# Altium PCB RFSoC-AMC.PcbDoc (part 1 of 12) (continued)
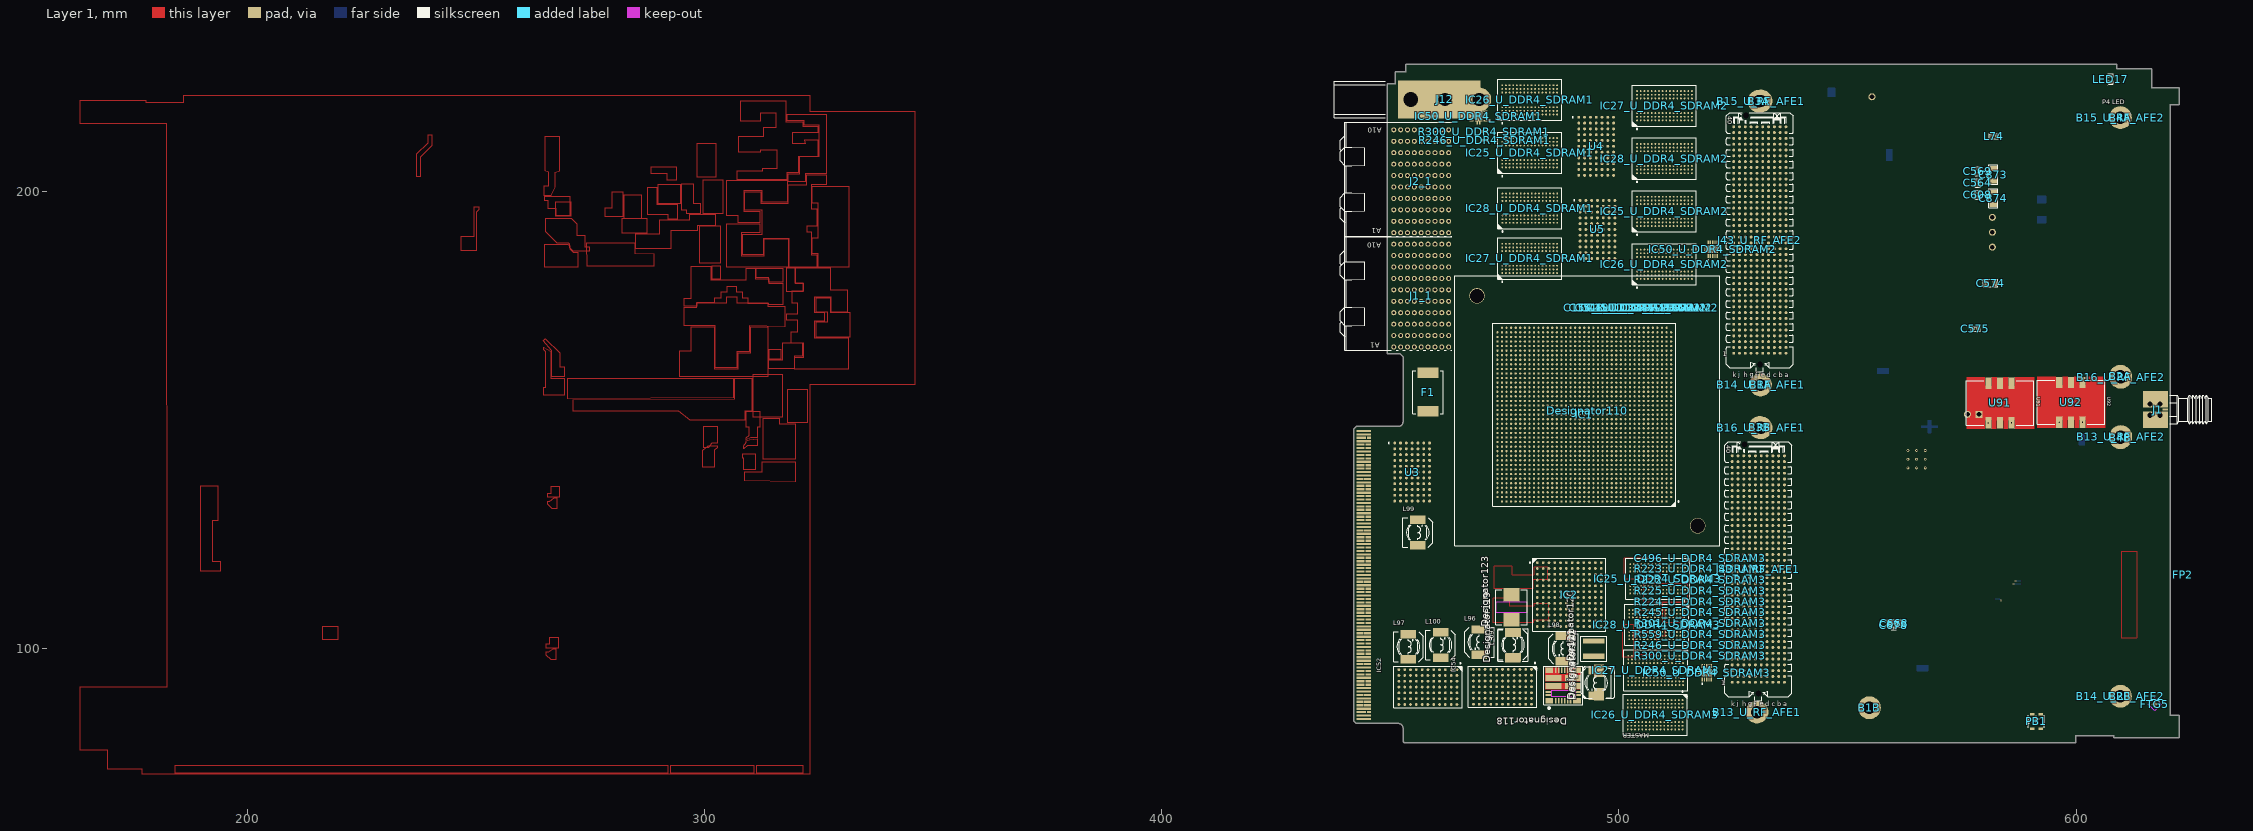
[diagram p0: Layer 1 view]
## Classes and differential pairs (continued)
component class U_DDR4_SDRAM1: C108_U_DDR4_SDRAM1 C109_U_DDR4_SDRAM1 C110_U_DDR4_SDRAM1 C111_U_DDR4_SDRAM1 C112_U_DDR4_SDRAM1 C113_U_DDR4_SDRAM1 C114_U_DDR4_SDRAM1 C115_U_DDR4_SDRAM1 C116_U_DDR4_SDRAM1 C117_U_DDR4_SDRAM1 C118_U_DDR4_SDRAM1 C119_U_DDR4_SDRAM1 C120_U_DDR4_SDRAM1 C121_U_DDR4_SDRAM1 C122_U_DDR4_SDRAM1 C123_U_DDR4_SDRAM1 C124_U_DDR4_SDRAM1 C125_U_DDR4_SDRAM1 C126_U_DDR4_SDRAM1 C127_U_DDR4_SDRAM1 C128_U_DDR4_SDRAM1 C129_U_DDR4_SDRAM1 C130_U_DDR4_SDRAM1 C131_U_DDR4_SDRAM1 C132_U_DDR4_SDRAM1 C133_U_DDR4_SDRAM1 C134_U_DDR4_SDRAM1 C135_U_DDR4_SDRAM1 C136_U_DDR4_SDRAM1 C137_U_DDR4_SDRAM1 C138_U_DDR4_SDRAM1 C139_U_DDR4_SDRAM1 C140_U_DDR4_SDRAM1 C141_U_DDR4_SDRAM1 C142_U_DDR4_SDRAM1 C143_U_DDR4_SDRAM1 C144_U_DDR4_SDRAM1 C145_U_DDR4_SDRAM1 C146_U_DDR4_SDRAM1 C147_U_DDR4_SDRAM1 C148_U_DDR4_SDRAM1 C149_U_DDR4_SDRAM1 C150_U_DDR4_SDRAM1 C151_U_DDR4_SDRAM1 C152_U_DDR4_SDRAM1 C153_U_DDR4_SDRAM1 C154_U_DDR4_SDRAM1 C155_U_DDR4_SDRAM1 C156_U_DDR4_SDRAM1 C157_U_DDR4_SDRAM1 C158_U_DDR4_SDRAM1 C159_U_DDR4_SDRAM1 C160_U_DDR4_SDRAM1 C161_U_DDR4_SDRAM1 C162_U_DDR4_SDRAM1 C163_U_DDR4_SDRAM1 C164_U_DDR4_SDRAM1 C165_U_DDR4_SDRAM1 C166_U_DDR4_SDRAM1 C167_U_DDR4_SDRAM1 C168_U_DDR4_SDRAM1 C173_U_DDR4_SDRAM1 C255_U_DDR4_SDRAM1 C256_U_DDR4_SDRAM1 C257_U_DDR4_SDRAM1 C258_U_DDR4_SDRAM1 C259_U_DDR4_SDRAM1 C260_U_DDR4_SDRAM1 C261_U_DDR4_SDRAM1 C286_U_DDR4_SDRAM1 C494_U_DDR4_SDRAM1 C495_U_DDR4_SDRAM1 C496_U_DDR4_SDRAM1 C497_U_DDR4_SDRAM1 C498_U_DDR4_SDRAM1 C531_U_DDR4_SDRAM1 C532_U_DDR4_SDRAM1 IC25_U_DDR4_SDRAM1 IC26_U_DDR4_SDRAM1 IC27_U_DDR4_SDRAM1 IC28_U_DDR4_SDRAM1 IC50_U_DDR4_SDRAM1 R218_U_DDR4_SDRAM1 R219_U_DDR4_SDRAM1 R220_U_DDR4_SDRAM1 R221_U_DDR4_SDRAM1 R222_U_DDR4_SDRAM1 R223_U_DDR4_SDRAM1 R224_U_DDR4_SDRAM1 R225_U_DDR4_SDRAM1 R226_U_DDR4_SDRAM1 R227_U_DDR4_SDRAM1 R228_U_DDR4_SDRAM1 R229_U_DDR4_SDRAM1 R230_U_DDR4_SDRAM1 R231_U_DDR4_SDRAM1 R232_U_DDR4_SDRAM1 R233_U_DDR4_SDRAM1 R234_U_DDR4_SDRAM1 R235_U_DDR4_SDRAM1 R236_U_DDR4_SDRAM1 R237_U_DDR4_SDRAM1 R238_U_DDR4_SDRAM1 R239_U_DDR4_SDRAM1 R240_U_DDR4_SDRAM1 R241_U_DDR4_SDRAM1 R242_U_DDR4_SDRAM1 R243_U_DDR4_SDRAM1 R244_U_DDR4_SDRAM1 R245_U_DDR4_SDRAM1 R246_U_DDR4_SDRAM1 R247_U_DDR4_SDRAM1 R248_U_DDR4_SDRAM1 R249_U_DDR4_SDRAM1 R250_U_DDR4_SDRAM1 R251_U_DDR4_SDRAM1 R252_U_DDR4_SDRAM1 R253_U_DDR4_SDRAM1 R254_U_DDR4_SDRAM1 R255_U_DDR4_SDRAM1 R256_U_DDR4_SDRAM1 R257_U_DDR4_SDRAM1 R258_U_DDR4_SDRAM1 R259_U_DDR4_SDRAM1 R300_U_DDR4_SDRAM1 R301_U_DDR4_SDRAM1 R302_U_DDR4_SDRAM1 R559_U_DDR4_SDRAM1
differential pair SYNCOUT21: +SYNCOUT21_P -SYNCOUT21_N
differential pair SYNCOUT20: +SYNCOUT20_P -SYNCOUT20_N
differential pair SYNCOUT11: +SYNCOUT11_P -SYNCOUT11_N
differential pair SYNCOUT10: +SYNCOUT10_P -SYNCOUT10_N
differential pair ADC2_SYNC: +ADC2_SYNC_P -ADC2_SYNC_N
differential pair ADC1_SYNC: +ADC1_SYNC_P -ADC1_SYNC_N

## Components (designator, comment, footprint, x,y, rotation, side; value= is the part's Value field where it differs from the comment)
B1A "Plated Hole" MTG270_500#1 530.687,157.683 r180 top (schematic designator B1)
B1B "Plated Hole" MTG270_500#1 554.493,87.094 r180 top (schematic designator B1)
B2A "Plated Hole" MTG270_500#1 609.393,159.594 r180 top (schematic designator B2)
B2B "Plated Hole" MTG270_500#1 609.393,89.594 r180 top (schematic designator B2)
B3A "Plated Hole" MTG270_500#1 530.331,219.735 r180 top (schematic designator B3)
B3B "Plated Hole" MTG270_500#1 530.509,148.387 r180 top (schematic designator B3)
B4A "Plated Hole" MTG270_500#1 609.393,216.144 r180 top (schematic designator B4)
B4B "Plated Hole" MTG270_500#1 609.393,146.144 r180 top (schematic designator B4)
B13_U_RF_AFE1 "Plated Hole" MTG270_500#2 530.2,86.131 r270 top (schematic designator B13)
B13_U_RF_AFE2 "Plated Hole" MTG270_500#2 609.778,146.38 r180 top (schematic designator B13)
B14_U_RF_AFE1 "Plated Hole" MTG270_500#2 530.987,157.683 r270 top (schematic designator B14)
B14_U_RF_AFE2 "Plated Hole" MTG270_500#2 609.693,89.594 r180 top (schematic designator B14)
B15_U_RF_AFE1 "Plated Hole" MTG270_500#2 531.089,219.786 r270 top (schematic designator B15)
B15_U_RF_AFE2 "Plated Hole" MTG270_500#2 609.693,216.144 r180 top (schematic designator B15)
B16_U_RF_AFE1 "Plated Hole" MTG270_500#2 531.089,148.311 r270 top (schematic designator B16)
B16_U_RF_AFE2 "Plated Hole" MTG270_500#2 609.778,159.36 r180 top (schematic designator B16)
C108_U_DDR4_SDRAM1 "100nF" CAPC0603X33N 478.235,214.65 r90 bottom (schematic designator C108)
C108_U_DDR4_SDRAM2 "100nF" CAPC0603X33N 505.128,201.015 r180 bottom (schematic designator C108)
C108_U_DDR4_SDRAM3 "100nF" CAPC0603X33N 505.518,108.53 r90 bottom (schematic designator C108)
C109_U_DDR4_SDRAM1 "100nF" CAPC0603X33N 478.235,216.708 r90 bottom (schematic designator C109)
C109_U_DDR4_SDRAM2 "100nF" CAPC0603X33N 505.128,199.757 r180 bottom (schematic designator C109)
C109_U_DDR4_SDRAM3 "100nF" CAPC0603X33N 505.518,110.588 r90 bottom (schematic designator C109)
C110_U_DDR4_SDRAM1 "100nF" CAPC0603X33N 476.977,192.012 r90 bottom (schematic designator C110)
C110_U_DDR4_SDRAM2 "100nF" CAPC0603X33N 505.128,198.499 r180 bottom (schematic designator C110)
C110_U_DDR4_SDRAM3 "100nF" CAPC0603X33N 505.518,112.646 r90 bottom (schematic designator C110)
C111_U_DDR4_SDRAM1 "100nF" CAPC0603X33N 478.235,212.592 r90 bottom (schematic designator C111)
C111_U_DDR4_SDRAM2 "100nF" CAPC0603X33N 505.128,202.273 r180 bottom (schematic designator C111)
C111_U_DDR4_SDRAM3 "100nF" CAPC0603X33N 505.518,106.472 r90 bottom (schematic designator C111)
C112_U_DDR4_SDRAM1 "100nF" CAPC0603X33N 478.235,206.418 r90 bottom (schematic designator C112)
C112_U_DDR4_SDRAM2 "100nF" CAPC0603X33N 505.128,206.047 r180 bottom (schematic designator C112)
C112_U_DDR4_SDRAM3 "100nF" CAPC0603X33N 505.518,100.298 r90 bottom (schematic designator C112)
C113_U_DDR4_SDRAM1 "100nF" CAPC0603X33N 478.235,208.476 r90 bottom (schematic designator C113)
C113_U_DDR4_SDRAM2 "100nF" CAPC0603X33N 505.128,204.789 r180 bottom (schematic designator C113)
C113_U_DDR4_SDRAM3 "100nF" CAPC0603X33N 505.518,102.356 r90 bottom (schematic designator C113)
C114_U_DDR4_SDRAM1 "100nF" CAPC0603X33N 478.235,210.534 r90 bottom (schematic designator C114)
C114_U_DDR4_SDRAM2 "100nF" CAPC0603X33N 505.128,203.531 r180 bottom (schematic designator C114)
C114_U_DDR4_SDRAM3 "100nF" CAPC0603X33N 505.518,104.414 r90 bottom (schematic designator C114)
C115_U_DDR4_SDRAM1 "100nF" CAPC0603X33N 476.977,194.07 r90 bottom (schematic designator C115)
C115_U_DDR4_SDRAM2 "100nF" CAPC0603X33N 505.128,197.241 r180 bottom (schematic designator C115)
C115_U_DDR4_SDRAM3 "100nF" CAPC0603X33N 505.518,114.704 r90 bottom (schematic designator C115)
C116_U_DDR4_SDRAM1 "100nF" CAPC0603X33N 476.977,204.36 r90 bottom (schematic designator C116)
C116_U_DDR4_SDRAM2 "100nF" CAPC0603X33N 505.128,190.951 r180 bottom (schematic designator C116)
C116_U_DDR4_SDRAM3 "100nF" CAPC0603X33N 504.26,83.834 r90 bottom (schematic designator C116)
C117_U_DDR4_SDRAM1 "100nF" CAPC0603X33N 476.977,206.418 r90 bottom (schematic designator C117)
C117_U_DDR4_SDRAM2 "100nF" CAPC0603X33N 505.128,189.693 r180 bottom (schematic designator C117)
C117_U_DDR4_SDRAM3 "100nF" CAPC0603X33N 504.26,85.892 r90 bottom (schematic designator C117)
C118_U_DDR4_SDRAM1 "100nF" CAPC0603X33N 476.977,208.476 r90 bottom (schematic designator C118)
C118_U_DDR4_SDRAM2 "100nF" CAPC0603X33N 505.128,188.435 r180 bottom (schematic designator C118)
C118_U_DDR4_SDRAM3 "100nF" CAPC0603X33N 504.26,87.95 r90 bottom (schematic designator C118)
C119_U_DDR4_SDRAM1 "100nF" CAPC0603X33N 476.977,202.302 r90 bottom (schematic designator C119)
C119_U_DDR4_SDRAM2 "100nF" CAPC0603X33N 505.128,192.209 r180 bottom (schematic designator C119)
C119_U_DDR4_SDRAM3 "100nF" CAPC0603X33N 504.26,81.776 r90 bottom (schematic designator C119)
C120_U_DDR4_SDRAM1 "100nF" CAPC0603X33N 476.977,196.128 r90 bottom (schematic designator C120)
C120_U_DDR4_SDRAM2 "100nF" CAPC0603X33N 505.128,195.983 r180 bottom (schematic designator C120)
C120_U_DDR4_SDRAM3 "100nF" CAPC0603X33N 505.518,116.762 r90 bottom (schematic designator C120)
C121_U_DDR4_SDRAM1 "100nF" CAPC0603X33N 476.977,198.186 r90 bottom (schematic designator C121)
C121_U_DDR4_SDRAM2 "100nF" CAPC0603X33N 505.128,194.725 r180 bottom (schematic designator C121)
C121_U_DDR4_SDRAM3 "100nF" CAPC0603X33N 505.518,118.82 r90 bottom (schematic designator C121)
C122_U_DDR4_SDRAM1 "100nF" CAPC0603X33N 476.977,200.244 r90 bottom (schematic designator C122)
C122_U_DDR4_SDRAM2 "100nF" CAPC0603X33N 505.128,193.467 r180 bottom (schematic designator C122)
C122_U_DDR4_SDRAM3 "100nF" CAPC0603X33N 505.518,120.878 r90 bottom (schematic designator C122)
C123_U_DDR4_SDRAM1 "100nF" CAPC0603X33N 478.235,204.36 r90 bottom (schematic designator C123)
C123_U_DDR4_SDRAM2 "100nF" CAPC0603X33N 505.128,207.305 r180 bottom (schematic designator C123)
C123_U_DDR4_SDRAM3 "100nF" CAPC0603X33N 505.518,98.24 r90 bottom (schematic designator C123)
C124_U_DDR4_SDRAM1 "100nF" CAPC0603X33N 479.793,207.378 r90 bottom (schematic designator C124)
C124_U_DDR4_SDRAM2 "100nF" CAPC0603X33N 513.127,190.061 r180 bottom (schematic designator C124)
C124_U_DDR4_SDRAM3 "100nF" CAPC0603X33N 507.076,116.166 r90 bottom (schematic designator C124)
C125_U_DDR4_SDRAM1 "100nF" CAPC0603X33N 479.793,209.436 r90 bottom (schematic designator C125)
C125_U_DDR4_SDRAM2 "100nF" CAPC0603X33N 513.127,188.803 r180 bottom (schematic designator C125)
C125_U_DDR4_SDRAM3 "100nF" CAPC0603X33N 507.076,118.224 r90 bottom (schematic designator C125)
C126_U_DDR4_SDRAM1 "100nF" CAPC0603X33N 479.793,211.494 r90 bottom (schematic designator C126)
C126_U_DDR4_SDRAM2 "100nF" CAPC0603X33N 513.127,187.545 r180 bottom (schematic designator C126)
C126_U_DDR4_SDRAM3 "100nF" CAPC0603X33N 507.076,120.282 r90 bottom (schematic designator C126)
C127_U_DDR4_SDRAM1 "100nF" CAPC0603X33N 479.793,205.32 r90 bottom (schematic designator C127)
C127_U_DDR4_SDRAM2 "100nF" CAPC0603X33N 513.127,191.319 r180 bottom (schematic designator C127)
C127_U_DDR4_SDRAM3 "100nF" CAPC0603X33N 507.076,114.108 r90 bottom (schematic designator C127)
C128_U_DDR4_SDRAM1 "100nF" CAPC0603X33N 479.793,199.146 r90 bottom (schematic designator C128)
C128_U_DDR4_SDRAM2 "100nF" CAPC0603X33N 513.127,195.093 r180 bottom (schematic designator C128)
C128_U_DDR4_SDRAM3 "100nF" CAPC0603X33N 507.076,107.934 r90 bottom (schematic designator C128)
C129_U_DDR4_SDRAM1 "100nF" CAPC0603X33N 479.793,201.204 r90 bottom (schematic designator C129)
C129_U_DDR4_SDRAM2 "100nF" CAPC0603X33N 513.127,193.835 r180 bottom (schematic designator C129)
C129_U_DDR4_SDRAM3 "100nF" CAPC0603X33N 507.076,109.992 r90 bottom (schematic designator C129)
C130_U_DDR4_SDRAM1 "100nF" CAPC0603X33N 479.793,203.262 r90 bottom (schematic designator C130)
C130_U_DDR4_SDRAM2 "100nF" CAPC0603X33N 513.127,192.577 r180 bottom (schematic designator C130)
C130_U_DDR4_SDRAM3 "100nF" CAPC0603X33N 507.076,112.05 r90 bottom (schematic designator C130)
C131_U_DDR4_SDRAM1 "100nF" CAPC0603X33N 479.793,213.552 r90 bottom (schematic designator C131)
C131_U_DDR4_SDRAM2 "100nF" CAPC0603X33N 513.127,186.287 r180 bottom (schematic designator C131)
C131_U_DDR4_SDRAM3 "100nF" CAPC0603X33N 505.518,81.776 r90 bottom (schematic designator C131)
C132_U_DDR4_SDRAM1 "100nF" CAPC0603X33N 478.235,198.186 r90 bottom (schematic designator C132)
C132_U_DDR4_SDRAM2 "100nF" CAPC0603X33N 505.128,211.079 r180 bottom (schematic designator C132)
C132_U_DDR4_SDRAM3 "100nF" CAPC0603X33N 505.518,92.066 r90 bottom (schematic designator C132)
C133_U_DDR4_SDRAM1 "100nF" CAPC0603X33N 478.235,200.244 r90 bottom (schematic designator C133)
C133_U_DDR4_SDRAM2 "100nF" CAPC0603X33N 505.128,209.821 r180 bottom (schematic designator C133)
C133_U_DDR4_SDRAM3 "100nF" CAPC0603X33N 505.518,94.124 r90 bottom (schematic designator C133)
C134_U_DDR4_SDRAM1 "100nF" CAPC0603X33N 478.235,202.302 r90 bottom (schematic designator C134)
C134_U_DDR4_SDRAM2 "100nF" CAPC0603X33N 505.128,208.563 r180 bottom (schematic designator C134)
C134_U_DDR4_SDRAM3 "100nF" CAPC0603X33N 505.518,96.182 r90 bottom (schematic designator C134)
C135_U_DDR4_SDRAM1 "100nF" CAPC0603X33N 478.235,196.128 r90 bottom (schematic designator C135)
C135_U_DDR4_SDRAM2 "100nF" CAPC0603X33N 505.128,212.337 r180 bottom (schematic designator C135)
C135_U_DDR4_SDRAM3 "100nF" CAPC0603X33N 505.518,90.008 r90 bottom (schematic designator C135)
C136_U_DDR4_SDRAM1 "100nF" CAPC0603X33N 479.793,215.61 r90 bottom (schematic designator C136)
C136_U_DDR4_SDRAM2 "100nF" CAPC0603X33N 513.127,185.029 r180 bottom (schematic designator C136)
C136_U_DDR4_SDRAM3 "100nF" CAPC0603X33N 505.518,83.834 r90 bottom (schematic designator C136)
C137_U_DDR4_SDRAM1 "100nF" CAPC0603X33N 478.235,192.012 r90 bottom (schematic designator C137)
C137_U_DDR4_SDRAM2 "100nF" CAPC0603X33N 513.127,183.771 r180 bottom (schematic designator C137)
C137_U_DDR4_SDRAM3 "100nF" CAPC0603X33N 505.518,85.892 r90 bottom (schematic designator C137)
C138_U_DDR4_SDRAM1 "100nF" CAPC0603X33N 478.235,194.07 r90 bottom (schematic designator C138)
C138_U_DDR4_SDRAM2 "100nF" CAPC0603X33N 505.128,213.595 r180 bottom (schematic designator C138)
C138_U_DDR4_SDRAM3 "100nF" CAPC0603X33N 505.518,87.95 r90 bottom (schematic designator C138)
C139_U_DDR4_SDRAM1 "100nF" CAPC0603X33N 476.977,210.534 r90 bottom (schematic designator C139)
C139_U_DDR4_SDRAM2 "100nF" CAPC0603X33N 505.128,187.177 r180 bottom (schematic designator C139)
C139_U_DDR4_SDRAM3 "100nF" CAPC0603X33N 504.26,90.008 r90 bottom (schematic designator C139)
C140_U_DDR4_SDRAM1 "100nF" CAPC0603X33N 484.694,210.373 r270 bottom (schematic designator C140)
C140_U_DDR4_SDRAM2 "100nF" CAPC0603X33N 507.186,190.951 r180 bottom (schematic designator C140)
C140_U_DDR4_SDRAM3 "100nF" CAPC0603X33N 503.002,92.066 r90 bottom (schematic designator C140)
C141_U_DDR4_SDRAM1 "100nF" CAPC0603X33N 484.694,208.315 r270 bottom (schematic designator C141)
C141_U_DDR4_SDRAM2 "100nF" CAPC0603X33N 507.186,189.693 r180 bottom (schematic designator C141)
C141_U_DDR4_SDRAM3 "100nF" CAPC0603X33N 503.002,94.124 r90 bottom (schematic designator C141)
C142_U_DDR4_SDRAM1 "100nF" CAPC0603X33N 484.694,206.257 r270 bottom (schematic designator C142)
C142_U_DDR4_SDRAM2 "100nF" CAPC0603X33N 507.186,188.435 r180 bottom (schematic designator C142)
C142_U_DDR4_SDRAM3 "100nF" CAPC0603X33N 503.002,96.182 r90 bottom (schematic designator C142)
C143_U_DDR4_SDRAM1 "100nF" CAPC0603X33N 484.694,212.431 r270 bottom (schematic designator C143)
C143_U_DDR4_SDRAM2 "100nF" CAPC0603X33N 507.186,192.209 r180 bottom (schematic designator C143)
C143_U_DDR4_SDRAM3 "100nF" CAPC0603X33N 503.002,90.008 r90 bottom (schematic designator C143)
C144_U_DDR4_SDRAM1 "100nF" CAPC0603X33N 484.694,218.605 r270 bottom (schematic designator C144)
C144_U_DDR4_SDRAM2 "100nF" CAPC0603X33N 507.186,195.983 r180 bottom (schematic designator C144)
C144_U_DDR4_SDRAM3 "100nF" CAPC0603X33N 503.002,83.834 r90 bottom (schematic designator C144)
C145_U_DDR4_SDRAM1 "100nF" CAPC0603X33N 484.694,216.547 r270 bottom (schematic designator C145)
C145_U_DDR4_SDRAM2 "100nF" CAPC0603X33N 507.186,194.725 r180 bottom (schematic designator C145)
C145_U_DDR4_SDRAM3 "100nF" CAPC0603X33N 503.002,85.892 r90 bottom (schematic designator C145)
C146_U_DDR4_SDRAM1 "100nF" CAPC0603X33N 484.694,214.489 r270 bottom (schematic designator C146)
C146_U_DDR4_SDRAM2 "100nF" CAPC0603X33N 507.186,193.467 r180 bottom (schematic designator C146)
C146_U_DDR4_SDRAM3 "100nF" CAPC0603X33N 503.002,87.95 r90 bottom (schematic designator C146)
C147_U_DDR4_SDRAM1 "100nF" CAPC0603X33N 484.694,204.199 r270 bottom (schematic designator C147)
C147_U_DDR4_SDRAM2 "100nF" CAPC0603X33N 507.186,187.177 r180 bottom (schematic designator C147)
C147_U_DDR4_SDRAM3 "100nF" CAPC0603X33N 503.002,98.24 r90 bottom (schematic designator C147)
C148_U_DDR4_SDRAM1 "100nF" CAPC0603X33N 484.694,193.909 r270 bottom (schematic designator C148)
C148_U_DDR4_SDRAM2 "100nF" CAPC0603X33N 504.846,174.578 r90 top (schematic designator C148)
C148_U_DDR4_SDRAM3 "100nF" CAPC0603X33N 503.002,108.53 r90 bottom (schematic designator C148)
C149_U_DDR4_SDRAM1 "100nF" CAPC0603X33N 475.489,199.403 r90 bottom (schematic designator C149)
C149_U_DDR4_SDRAM2 "100nF" CAPC0603X33N 506.104,174.578 r90 top (schematic designator C149)
C149_U_DDR4_SDRAM3 "100nF" CAPC0603X33N 503.002,110.588 r90 bottom (schematic designator C149)
C150_U_DDR4_SDRAM1 "100nF" CAPC0603X33N 475.489,201.461 r90 bottom (schematic designator C150)
C150_U_DDR4_SDRAM2 "100nF" CAPC0603X33N 507.362,174.578 r90 top (schematic designator C150)
C150_U_DDR4_SDRAM3 "100nF" CAPC0603X33N 503.002,112.646 r90 bottom (schematic designator C150)
C151_U_DDR4_SDRAM1 "100nF" CAPC0603X33N 484.694,195.967 r270 bottom (schematic designator C151)
C151_U_DDR4_SDRAM2 "100nF" CAPC0603X33N 503.588,174.578 r90 top (schematic designator C151)
C151_U_DDR4_SDRAM3 "100nF" CAPC0603X33N 503.002,106.472 r90 bottom (schematic designator C151)
C152_U_DDR4_SDRAM1 "100nF" CAPC0603X33N 484.694,202.141 r270 bottom (schematic designator C152)
C152_U_DDR4_SDRAM2 "100nF" CAPC0603X33N 507.186,185.919 r180 bottom (schematic designator C152)
C152_U_DDR4_SDRAM3 "100nF" CAPC0603X33N 503.002,100.298 r90 bottom (schematic designator C152)
C153_U_DDR4_SDRAM1 "100nF" CAPC0603X33N 484.694,200.083 r270 bottom (schematic designator C153)
C153_U_DDR4_SDRAM2 "100nF" CAPC0603X33N 507.186,184.661 r180 bottom (schematic designator C153)
C153_U_DDR4_SDRAM3 "100nF" CAPC0603X33N 503.002,102.356 r90 bottom (schematic designator C153)
C154_U_DDR4_SDRAM1 "100nF" CAPC0603X33N 484.694,198.025 r270 bottom (schematic designator C154)
C154_U_DDR4_SDRAM2 "100nF" CAPC0603X33N 502.33,174.578 r90 top (schematic designator C154)
C154_U_DDR4_SDRAM3 "100nF" CAPC0603X33N 503.002,104.414 r90 bottom (schematic designator C154)
C155_U_DDR4_SDRAM1 "100nF" CAPC0603X33N 483.436,193.909 r270 bottom (schematic designator C155)
C155_U_DDR4_SDRAM2 "100nF" CAPC0603X33N 507.186,197.241 r180 bottom (schematic designator C155)
C155_U_DDR4_SDRAM3 "100nF" CAPC0603X33N 503.002,81.776 r90 bottom (schematic designator C155)
C156_U_DDR4_SDRAM1 "100nF" CAPC0603X33N 483.436,216.547 r270 bottom (schematic designator C156)
C156_U_DDR4_SDRAM2 "100nF" CAPC0603X33N 507.186,211.079 r180 bottom (schematic designator C156)
C156_U_DDR4_SDRAM3 "100nF" CAPC0603X33N 504.26,100.298 r90 bottom (schematic designator C156)
C157_U_DDR4_SDRAM1 "100nF" CAPC0603X33N 483.436,214.489 r270 bottom (schematic designator C157)
C157_U_DDR4_SDRAM2 "100nF" CAPC0603X33N 507.186,209.821 r180 bottom (schematic designator C157)
C157_U_DDR4_SDRAM3 "100nF" CAPC0603X33N 504.26,102.356 r90 bottom (schematic designator C157)
C158_U_DDR4_SDRAM1 "100nF" CAPC0603X33N 483.436,212.431 r270 bottom (schematic designator C158)
C158_U_DDR4_SDRAM2 "100nF" CAPC0603X33N 507.186,208.563 r180 bottom (schematic designator C158)
C158_U_DDR4_SDRAM3 "100nF" CAPC0603X33N 504.26,104.414 r90 bottom (schematic designator C158)
C159_U_DDR4_SDRAM1 "100nF" CAPC0603X33N 483.436,218.605 r270 bottom (schematic designator C159)
C159_U_DDR4_SDRAM2 "100nF" CAPC0603X33N 507.186,212.337 r180 bottom (schematic designator C159)
C159_U_DDR4_SDRAM3 "100nF" CAPC0603X33N 504.26,98.24 r90 bottom (schematic designator C159)
C160_U_DDR4_SDRAM1 "100nF" CAPC0603X33N 476.977,212.592 r90 bottom (schematic designator C160)
C160_U_DDR4_SDRAM2 "100nF" CAPC0603X33N 505.128,185.919 r180 bottom (schematic designator C160)
C160_U_DDR4_SDRAM3 "100nF" CAPC0603X33N 504.26,92.066 r90 bottom (schematic designator C160)
C161_U_DDR4_SDRAM1 "100nF" CAPC0603X33N 476.977,214.65 r90 bottom (schematic designator C161)
C161_U_DDR4_SDRAM2 "100nF" CAPC0603X33N 505.128,184.661 r180 bottom (schematic designator C161)
C161_U_DDR4_SDRAM3 "100nF" CAPC0603X33N 504.26,94.124 r90 bottom (schematic designator C161)
C162_U_DDR4_SDRAM1 "100nF" CAPC0603X33N 476.977,216.708 r90 bottom (schematic designator C162)
C162_U_DDR4_SDRAM2 "100nF" CAPC0603X33N 507.186,213.595 r180 bottom (schematic designator C162)
C162_U_DDR4_SDRAM3 "100nF" CAPC0603X33N 504.26,96.182 r90 bottom (schematic designator C162)
C163_U_DDR4_SDRAM1 "100nF" CAPC0603X33N 483.436,210.373 r270 bottom (schematic designator C163)
C163_U_DDR4_SDRAM2 "100nF" CAPC0603X33N 507.186,207.305 r180 bottom (schematic designator C163)
C163_U_DDR4_SDRAM3 "100nF" CAPC0603X33N 504.26,106.472 r90 bottom (schematic designator C163)
C164_U_DDR4_SDRAM1 "100nF" CAPC0603X33N 483.436,200.083 r270 bottom (schematic designator C164)
C164_U_DDR4_SDRAM2 "100nF" CAPC0603X33N 507.186,201.015 r180 bottom (schematic designator C164)
C164_U_DDR4_SDRAM3 "100nF" CAPC0603X33N 504.26,116.762 r90 bottom (schematic designator C164)
C165_U_DDR4_SDRAM1 "100nF" CAPC0603X33N 483.436,198.025 r270 bottom (schematic designator C165)
C165_U_DDR4_SDRAM2 "100nF" CAPC0603X33N 507.186,199.757 r180 bottom (schematic designator C165)
C165_U_DDR4_SDRAM3 "100nF" CAPC0603X33N 504.26,118.82 r90 bottom (schematic designator C165)
C166_U_DDR4_SDRAM1 "100nF" CAPC0603X33N 483.436,195.967 r270 bottom (schematic designator C166)
C166_U_DDR4_SDRAM2 "100nF" CAPC0603X33N 507.186,198.499 r180 bottom (schematic designator C166)
C166_U_DDR4_SDRAM3 "100nF" CAPC0603X33N 504.26,120.878 r90 bottom (schematic designator C166)
C167_U_DDR4_SDRAM1 "100nF" CAPC0603X33N 483.436,202.141 r270 bottom (schematic designator C167)
C167_U_DDR4_SDRAM2 "100nF" CAPC0603X33N 507.186,202.273 r180 bottom (schematic designator C167)
C167_U_DDR4_SDRAM3 "100nF" CAPC0603X33N 504.26,114.704 r90 bottom (schematic designator C167)
C168_U_DDR4_SDRAM1 "100nF" CAPC0603X33N 483.436,208.315 r270 bottom (schematic designator C168)
C168_U_DDR4_SDRAM2 "100nF" CAPC0603X33N 507.186,206.047 r180 bottom (schematic designator C168)
C168_U_DDR4_SDRAM3 "100nF" CAPC0603X33N 504.26,108.53 r90 bottom (schematic designator C168)
C173_U_DDR4_SDRAM1 "100nF" CAPC0603X33N 483.436,206.257 r270 bottom (schematic designator C173)
C173_U_DDR4_SDRAM2 "100nF" CAPC0603X33N 507.186,204.789 r180 bottom (schematic designator C173)
C173_U_DDR4_SDRAM3 "100nF" CAPC0603X33N 504.26,110.588 r90 bottom (schematic designator C173)
C255_U_DDR4_SDRAM1 "1uF" CAPC1005X55N 473.7,216.485 r90 bottom (schematic designator C255)
C255_U_DDR4_SDRAM2 "1uF" CAPC1005X55N 510.909,204.291 r180 bottom (schematic designator C255)
C255_U_DDR4_SDRAM3 "1uF" CAPC1005X55N 508.484,86.692 r90 bottom (schematic designator C255)
C256_U_DDR4_SDRAM1 "1uF" CAPC1005X55N 472.142,192.705 r90 bottom (schematic designator C256)
C256_U_DDR4_SDRAM2 "1uF" CAPC1005X55N 510.909,202.733 r180 bottom (schematic designator C256)
C256_U_DDR4_SDRAM3 "1uF" CAPC1005X55N 508.484,89.07 r90 bottom (schematic designator C256)
C257_U_DDR4_SDRAM1 "1uF" CAPC1005X55N 473.7,211.729 r90 bottom (schematic designator C257)
C257_U_DDR4_SDRAM2 "1uF" CAPC1005X55N 510.909,207.407 r180 bottom (schematic designator C257)
C257_U_DDR4_SDRAM3 "1uF" CAPC1005X55N 508.484,81.936 r90 bottom (schematic designator C257)
C258_U_DDR4_SDRAM1 "1uF" CAPC1005X55N 473.7,214.107 r90 bottom (schematic designator C258)
C258_U_DDR4_SDRAM2 "1uF" CAPC1005X55N 510.909,205.849 r180 bottom (schematic designator C258)
C258_U_DDR4_SDRAM3 "1uF" CAPC1005X55N 508.484,84.314 r90 bottom (schematic designator C258)
C259_U_DDR4_SDRAM1 "1uF" CAPC1005X55N 472.142,195.083 r90 bottom (schematic designator C259)
C259_U_DDR4_SDRAM2 "1uF" CAPC1005X55N 510.909,201.175 r180 bottom (schematic designator C259)
C259_U_DDR4_SDRAM3 "1uF" CAPC1005X55N 508.484,91.448 r90 bottom (schematic designator C259)
C260_U_DDR4_SDRAM1 "1uF" CAPC1005X55N 472.142,202.217 r90 bottom (schematic designator C260)
C260_U_DDR4_SDRAM2 "1uF" CAPC1005X55N 510.909,196.501 r180 bottom (schematic designator C260)
C260_U_DDR4_SDRAM3 "1uF" CAPC1005X55N 508.484,98.582 r90 bottom (schematic designator C260)
C261_U_DDR4_SDRAM1 "1uF" CAPC1005X55N 472.142,204.595 r90 bottom (schematic designator C261)
C261_U_DDR4_SDRAM2 "1uF" CAPC1005X55N 510.909,194.943 r180 bottom (schematic designator C261)
C261_U_DDR4_SDRAM3 "1uF" CAPC1005X55N 508.484,100.96 r90 bottom (schematic designator C261)
C286_U_DDR4_SDRAM1 "100nF" CAPC0603X33N 483.436,204.199 r270 bottom (schematic designator C286)
C286_U_DDR4_SDRAM2 "100nF" CAPC0603X33N 507.186,203.531 r180 bottom (schematic designator C286)
C286_U_DDR4_SDRAM3 "100nF" CAPC0603X33N 504.26,112.646 r90 bottom (schematic designator C286)
C344 "0.01UF" 0201 556.136,103.582 r90 bottom
C345 "0.01UF" 0201 566.195,103.582 r90 bottom
C361 "0.1UF" 0402 563.375,134.551 r90 bottom
C362 "1UF" 0402 561.717,134.551 r90 bottom
C363 "0.1UF" 0402 566.691,134.551 r90 bottom
C364 "1UF" 0402 565.033,134.551 r90 bottom
C456 "0.01UF" 0402 582.034,215.395 r0 bottom
C457 "10UF" 0805 581.324,177.428 r0 bottom
C485 "10UF" 0805 552.48,221.087 r270 bottom
C494_U_DDR4_SDRAM1 "1uF" CAPC1005X55N 472.142,197.461 r90 bottom (schematic designator C494)
C494_U_DDR4_SDRAM2 "1uF" CAPC1005X55N 510.909,199.617 r180 bottom (schematic designator C494)
C494_U_DDR4_SDRAM3 "1uF" CAPC1005X55N 508.484,93.826 r90 bottom (schematic designator C494)
C495_U_DDR4_SDRAM1 "1uF" CAPC1005X55N 472.142,199.839 r90 bottom (schematic designator C495)
C495_U_DDR4_SDRAM2 "1uF" CAPC1005X55N 510.909,198.059 r180 bottom (schematic designator C495)
C495_U_DDR4_SDRAM3 "1uF" CAPC1005X55N 508.484,96.204 r90 bottom (schematic designator C495)
C496_U_DDR4_SDRAM1 "1uF" CAPC1005X55N 473.7,209.351 r90 bottom (schematic designator C496)
C496_U_DDR4_SDRAM2 "1uF" CAPC1005X55N 510.909,208.965 r180 bottom (schematic designator C496)
C496_U_DDR4_SDRAM3 "1uF" CAPC1005X55N 517.748,119.822 r90 top (schematic designator C496)
C564 "1UF" 0402 578.491,201.868 r90 top
C567 "10UF" 0805 581.324,174.92 r0 bottom
C569 "1UF" 0402 578.491,204.456 r270 top
C570 "10UF" 0805 581.324,172.412 r0 bottom
C572 "0.01UF" 0402 578.026,168.305 r0 bottom
C573 "10UF" 0805 581.324,182.444 r0 bottom
C574 "10UF" 0805 581.324,179.936 r0 top
C575 "0.01UF" 0402 578,169.963 r180 top
C577 "0.1UF" 0402 582.034,207.105 r0 bottom
C578 "0.1UF" 0402 582.034,208.763 r0 bottom
C606 "0.1UF" 0402 578,166.647 r180 bottom
C607 "0.1UF" 0402 578.026,164.989 r0 bottom
C608 "0.1UF" 0402 578.491,199.254 r90 top
C609 "0.1UF" 0402 582.034,213.737 r0 bottom
C632_U_ADC_PLL1 "100PF" 0402 550.827,168.384 r90 bottom (schematic designator C632)
C632_U_ADC_PLL2 "100PF" 0402 559.757,198.296 r180 bottom (schematic designator C632)
C633_U_ADC_PLL1 "DNP" 0402 549.169,168.384 r90 bottom (schematic designator C633)
C633_U_ADC_PLL2 "DNP" 0402 557.143,198.296 r180 bottom (schematic designator C633)
C634_U_ADC_PLL1 "10UF" 0805 557.8,171.682 r90 bottom (schematic designator C634)
C634_U_ADC_PLL2 "10UF" 0805 566.914,204.564 r180 bottom (schematic designator C634)
C635_U_ADC_PLL1 "10UF" 0805 560.308,171.682 r90 bottom (schematic designator C635)
C635_U_ADC_PLL2 "10UF" 0805 562.906,204.564 r180 bottom (schematic designator C635)
C636_U_ADC_PLL1 "0.1UF" 0402 547.511,168.384 r90 bottom (schematic designator C636)
C636_U_ADC_PLL2 "0.1UF" 0402 562.371,198.296 r180 bottom (schematic designator C636)
C637_U_ADC_PLL1 "10UF" 0805 562.816,171.682 r90 bottom (schematic designator C637)
C637_U_ADC_PLL2 "10UF" 0805 556.039,208.475 r180 bottom (schematic designator C637)
C638_U_ADC_PLL1 "0.1UF" 0402 555.801,168.384 r90 bottom (schematic designator C638)
C638_U_ADC_PLL2 "0.1UF" 0402 567.598,198.296 r180 bottom (schematic designator C638)
C639_U_ADC_PLL1 "0.1UF" 0402 554.143,168.384 r90 bottom (schematic designator C639)
C639_U_ADC_PLL2 "0.1UF" 0402 564.985,198.296 r180 bottom (schematic designator C639)
C640_U_ADC_PLL1 "100PF" 0402 552.485,168.384 r90 bottom (schematic designator C640)
C640_U_ADC_PLL2 "100PF" 0402 554.529,198.296 r180 bottom (schematic designator C640)
C641_U_ADC_PLL1 "10UF" 0805 556.416,175.69 r90 bottom (schematic designator C641)
C641_U_ADC_PLL2 "10UF" 0805 558.898,202.056 r180 bottom (schematic designator C641)
C642_U_ADC_PLL1 "10UF" 0805 551.4,175.69 r90 bottom (schematic designator C642)
C642_U_ADC_PLL2 "10UF" 0805 566.914,202.056 r180 bottom (schematic designator C642)
C643_U_ADC_PLL1 "0.1UF" 0402 565.749,165.77 r90 bottom (schematic designator C643)
C643_U_ADC_PLL2 "0.1UF" 0402 564.985,196.638 r180 bottom (schematic designator C643)
C644_U_ADC_PLL1 "10UF" 0805 548.892,175.69 r90 bottom (schematic designator C644)
C644_U_ADC_PLL2 "10UF" 0805 550.882,204.564 r180 bottom (schematic designator C644)
C645_U_ADC_PLL1 "0.1UF" 0402 559.117,165.77 r90 bottom (schematic designator C645)
C645_U_ADC_PLL2 "0.1UF" 0402 562.371,196.638 r180 bottom (schematic designator C645)
C646_U_ADC_PLL1 "100PF" 0402 557.459,165.77 r90 bottom (schematic designator C646)
C646_U_ADC_PLL2 "100PF" 0402 567.598,196.638 r180 bottom (schematic designator C646)
C647_U_ADC_PLL1 "DNP" 0402 555.801,165.77 r90 bottom (schematic designator C647)
C647_U_ADC_PLL2 "DNP" 0402 551.916,198.296 r180 bottom (schematic designator C647)
C648_U_ADC_PLL1 "0.1UF" 0402 564.091,165.77 r90 bottom (schematic designator C648)
C648_U_ADC_PLL2 "0.1UF" 0402 549.302,198.296 r180 bottom (schematic designator C648)
C649_U_ADC_PLL1 "0.1UF" 0402 562.433,165.77 r90 bottom (schematic designator C649)
C649_U_ADC_PLL2 "0.1UF" 0402 564.246,199.973 r180 bottom (schematic designator C649)
C650_U_ADC_PLL1 "0.1UF" 0402 560.775,165.77 r90 bottom (schematic designator C650)
C650_U_ADC_PLL2 "0.1UF" 0402 561.632,199.973 r180 bottom (schematic designator C650)
C651_U_ADC_PLL1 "0.1UF" 0402 549.043,172.392 r90 bottom (schematic designator C651)
C651_U_ADC_PLL2 "0.1UF" 0402 559.018,199.973 r180 bottom (schematic designator C651)
C652_U_ADC_PLL1 "0.1UF" 0402 565.749,168.384 r90 bottom (schematic designator C652)
C652_U_ADC_PLL2 "0.1UF" 0402 556.404,199.973 r180 bottom (schematic designator C652)
C653_U_ADC_PLL1 "1UF" 0402 547.385,172.392 r90 bottom (schematic designator C653)
C653_U_ADC_PLL2 "1UF" 0402 548.563,199.973 r180 bottom (schematic designator C653)
C654_U_ADC_PLL1 "10UF" 0805 565.324,171.682 r90 bottom (schematic designator C654)
C654_U_ADC_PLL2 "10UF" 0805 558.898,204.564 r180 bottom (schematic designator C654)